# Altium PCB AUAV_X05.PcbDoc (part 1 of 5)
Units mm, origin at the board's own origin, x right, y up, seen from the top; angles counter-clockwise.
Board outline 44.99 x 99.99 mm, 4 copper layers (Top Layer, Int1 Layer, Int2 Layer, Bottom Layer), stack 1.587 mm thick; 376 components, 270 nets, 1466 pads, 1242 vias.
Unrouted connection lines stored in the file: 2.
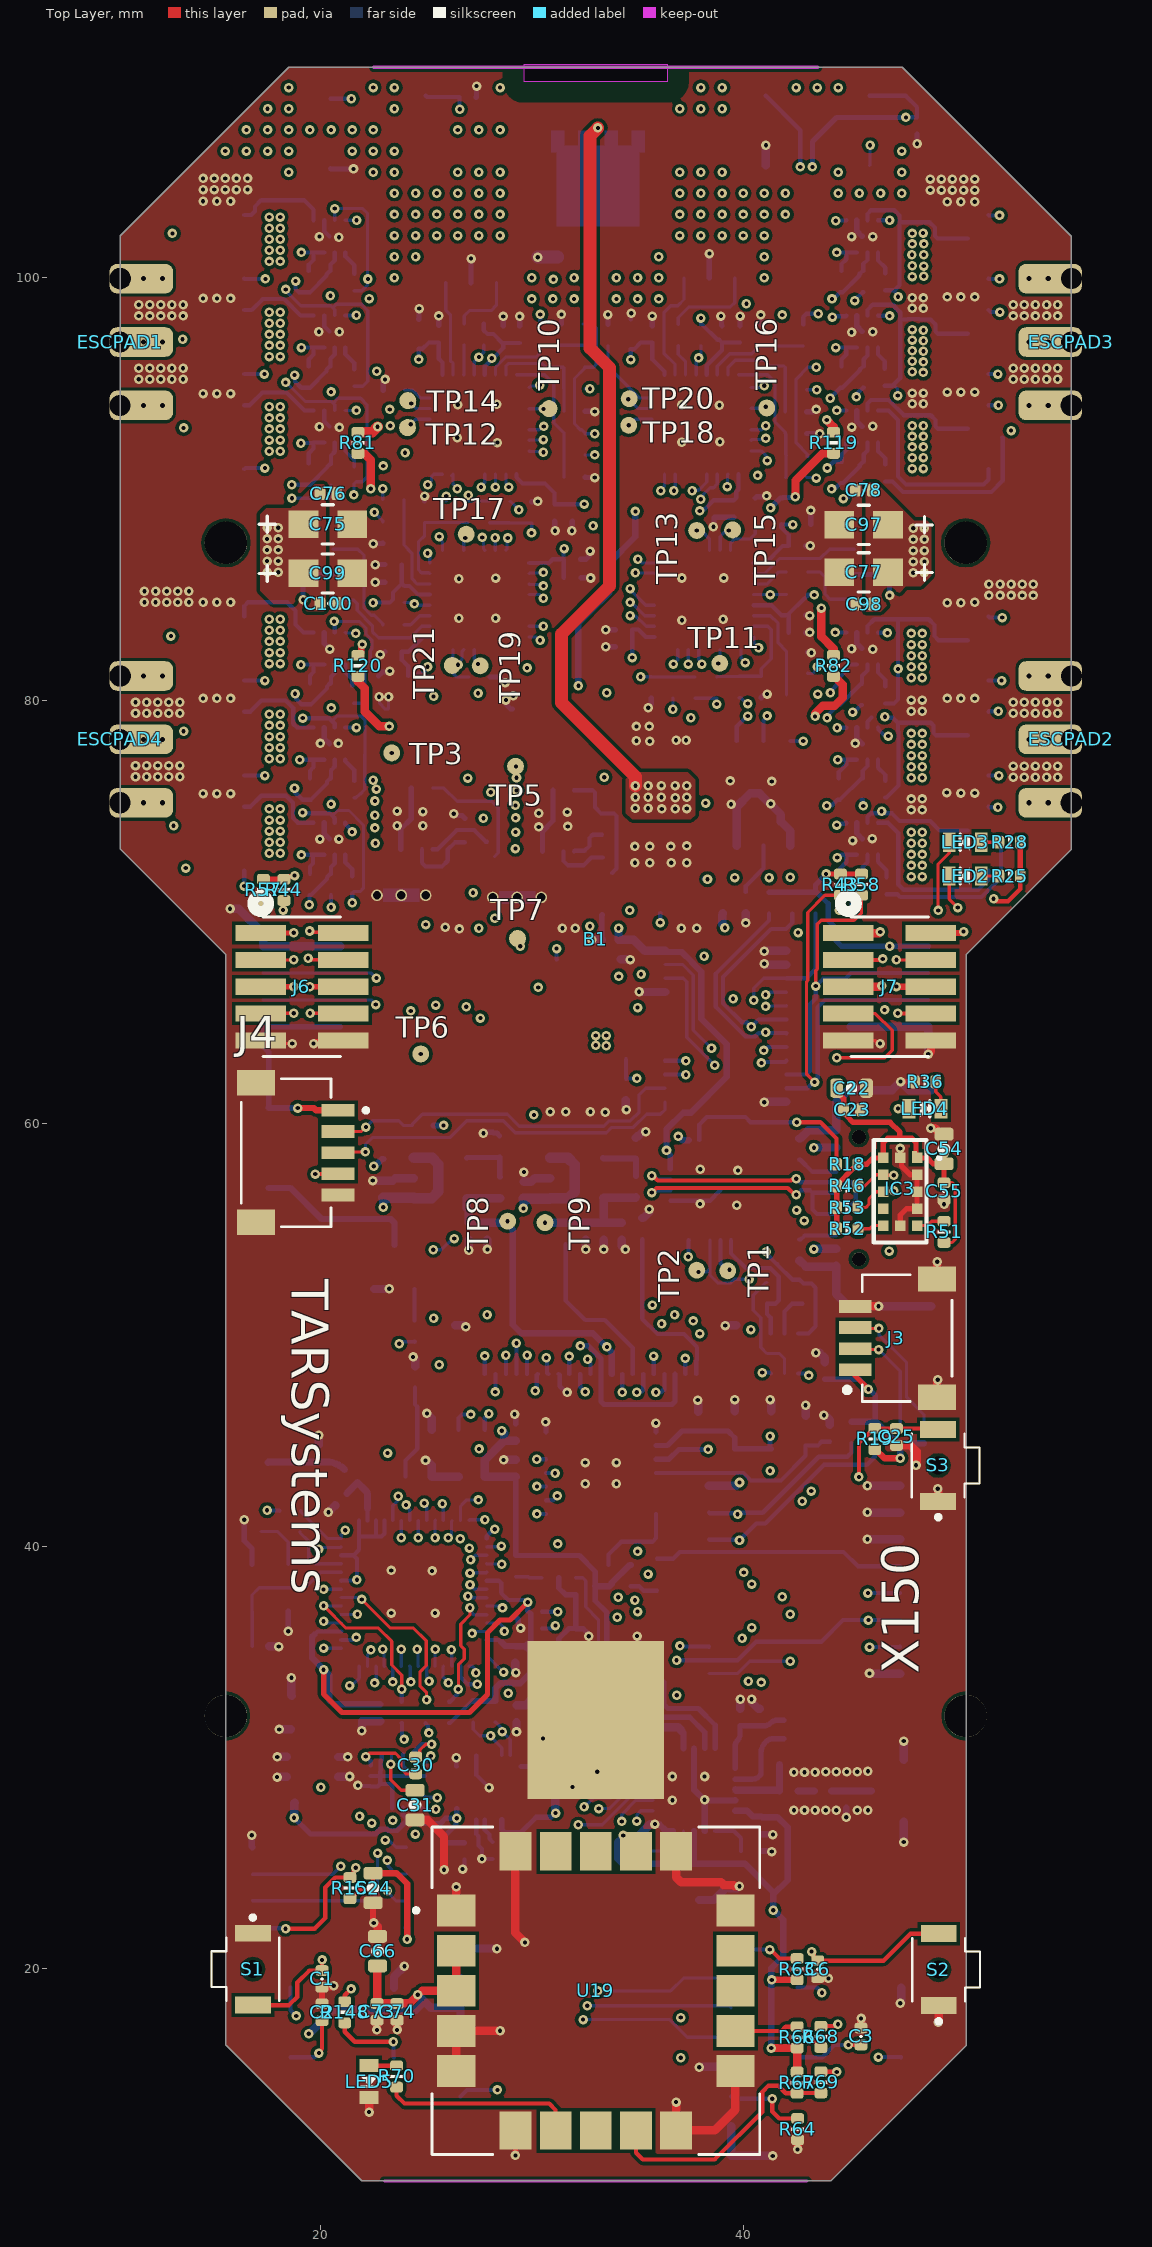
[diagram p0: Top Layer view]
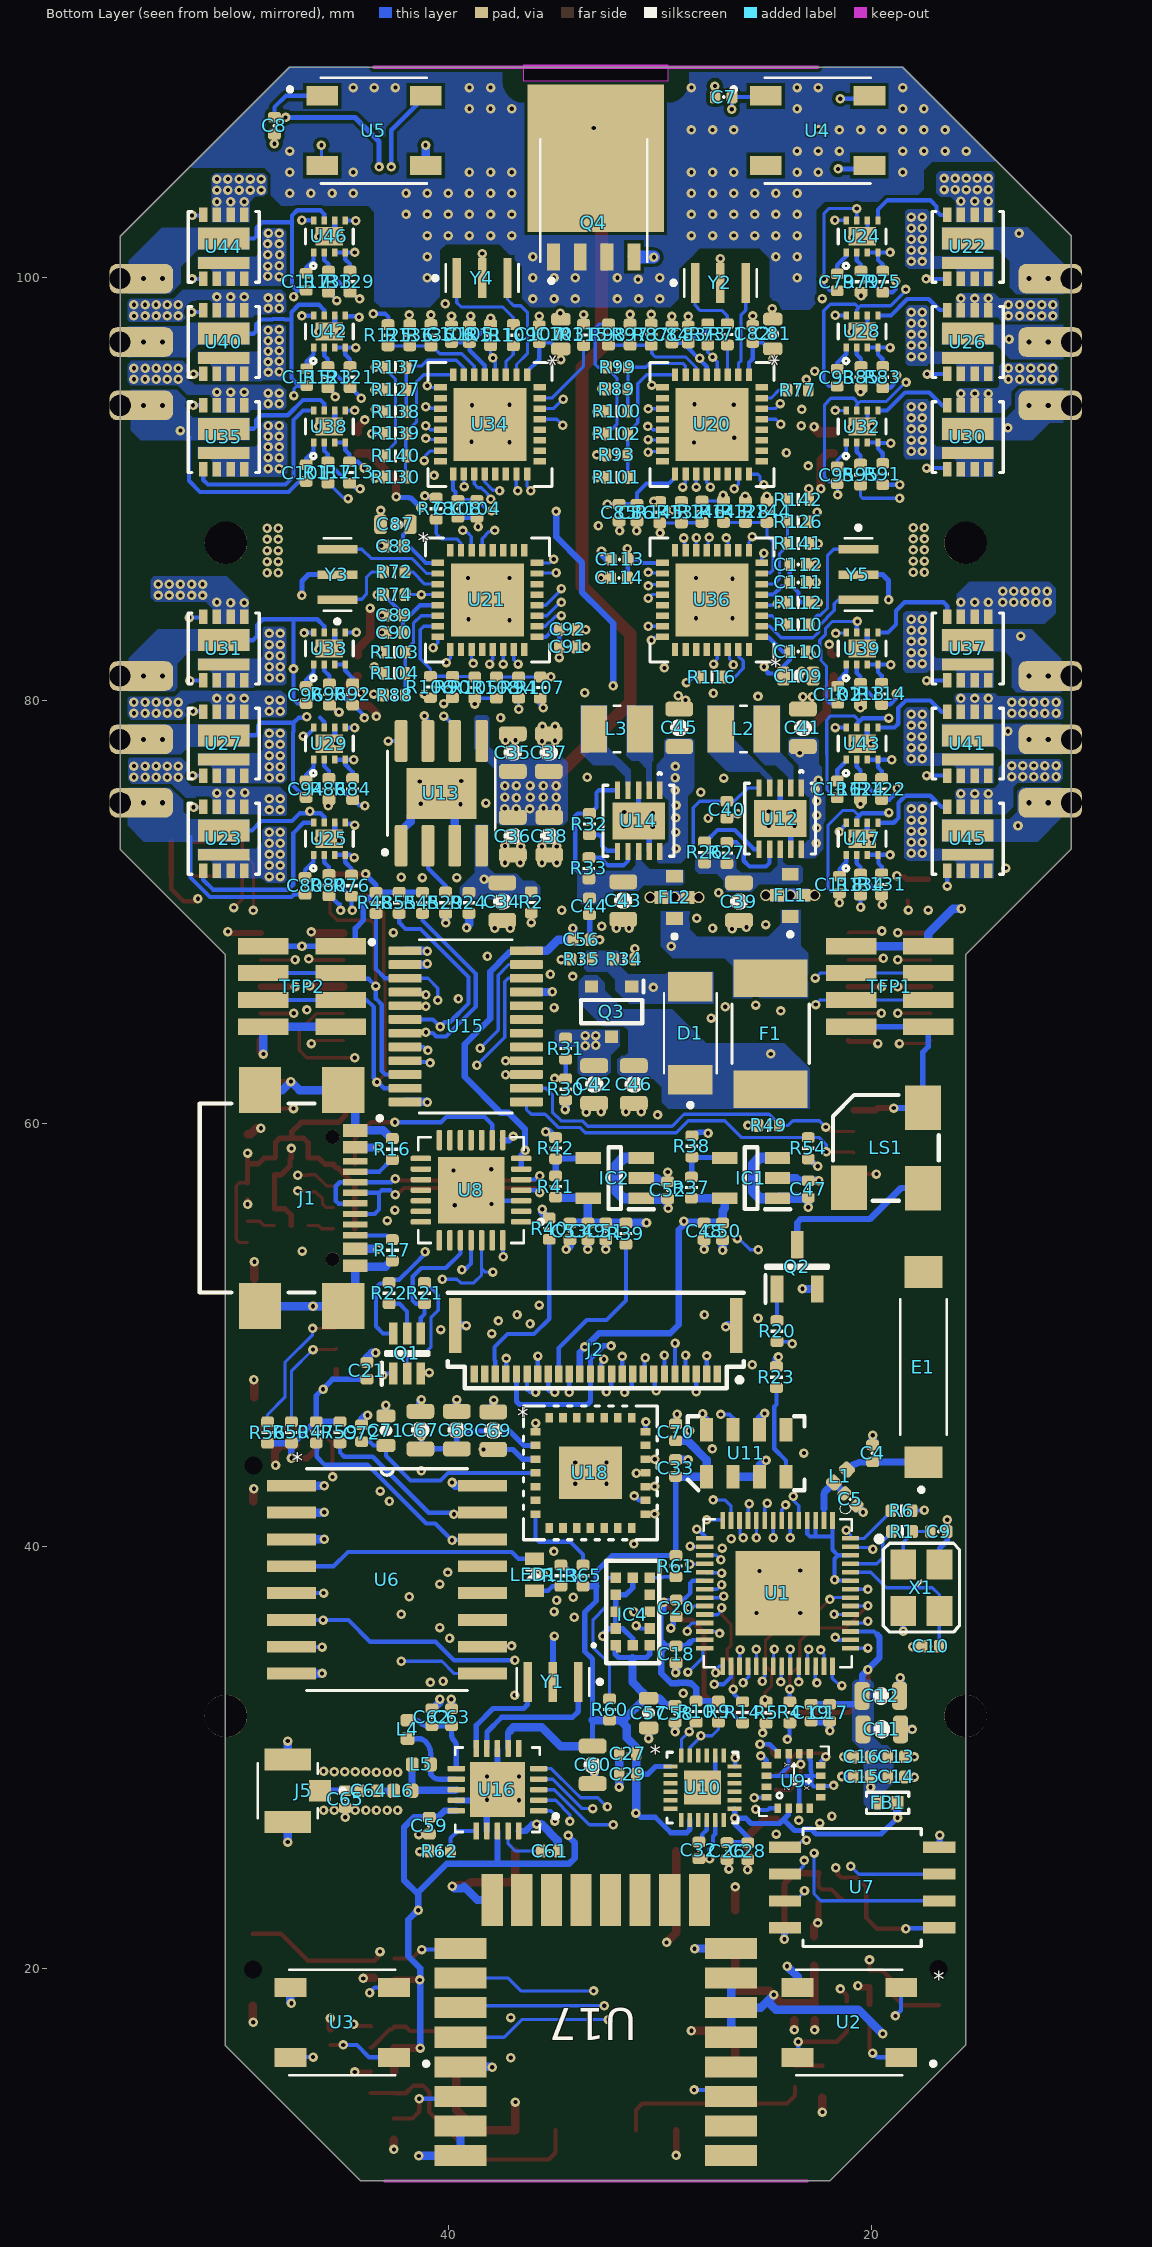
[diagram p1: Bottom Layer view, seen from below]
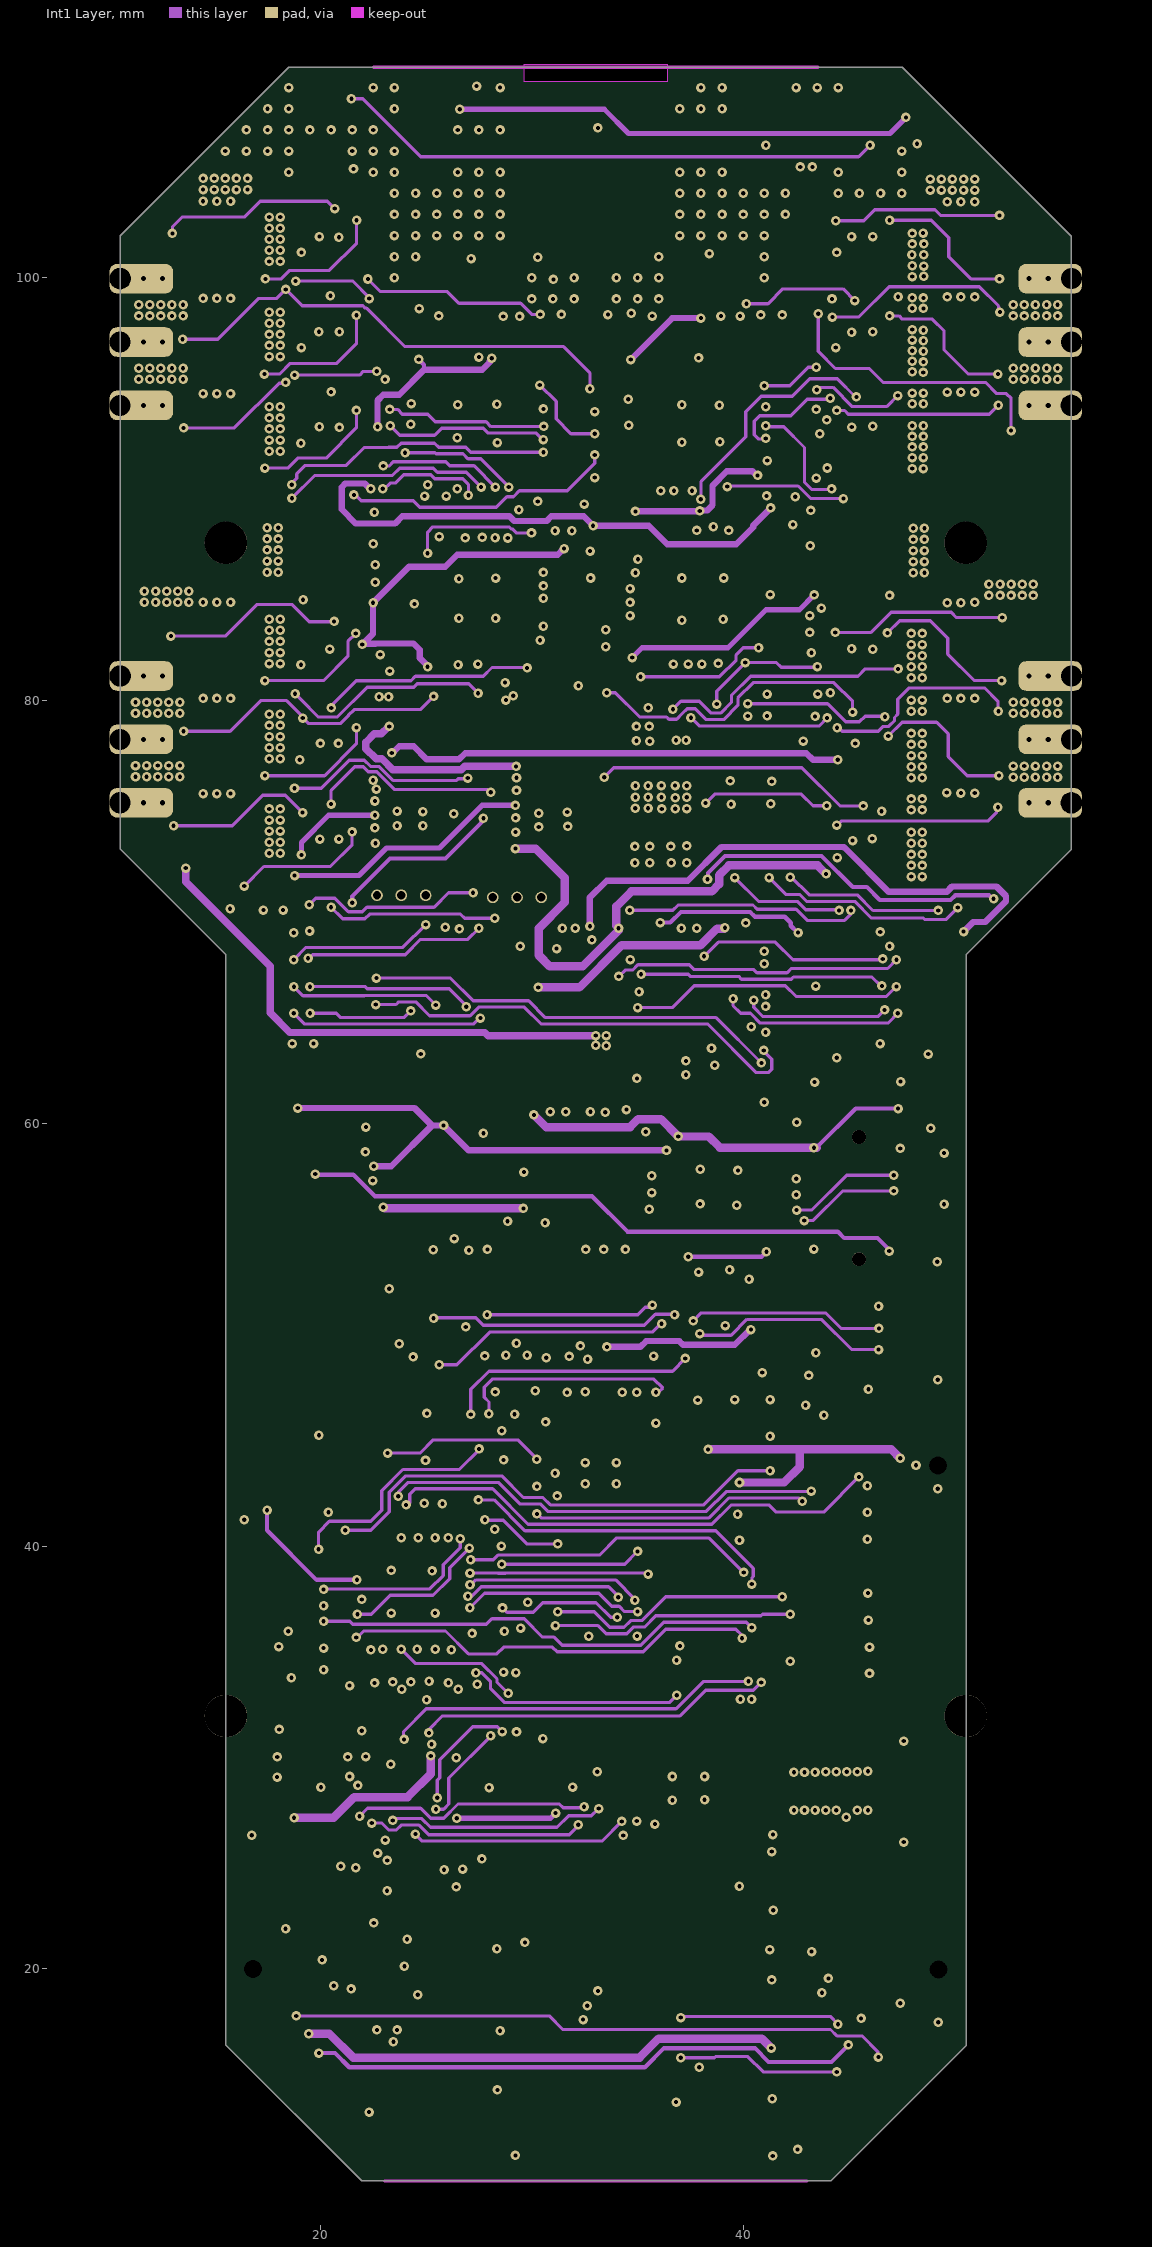
[diagram p2: Int1 Layer]
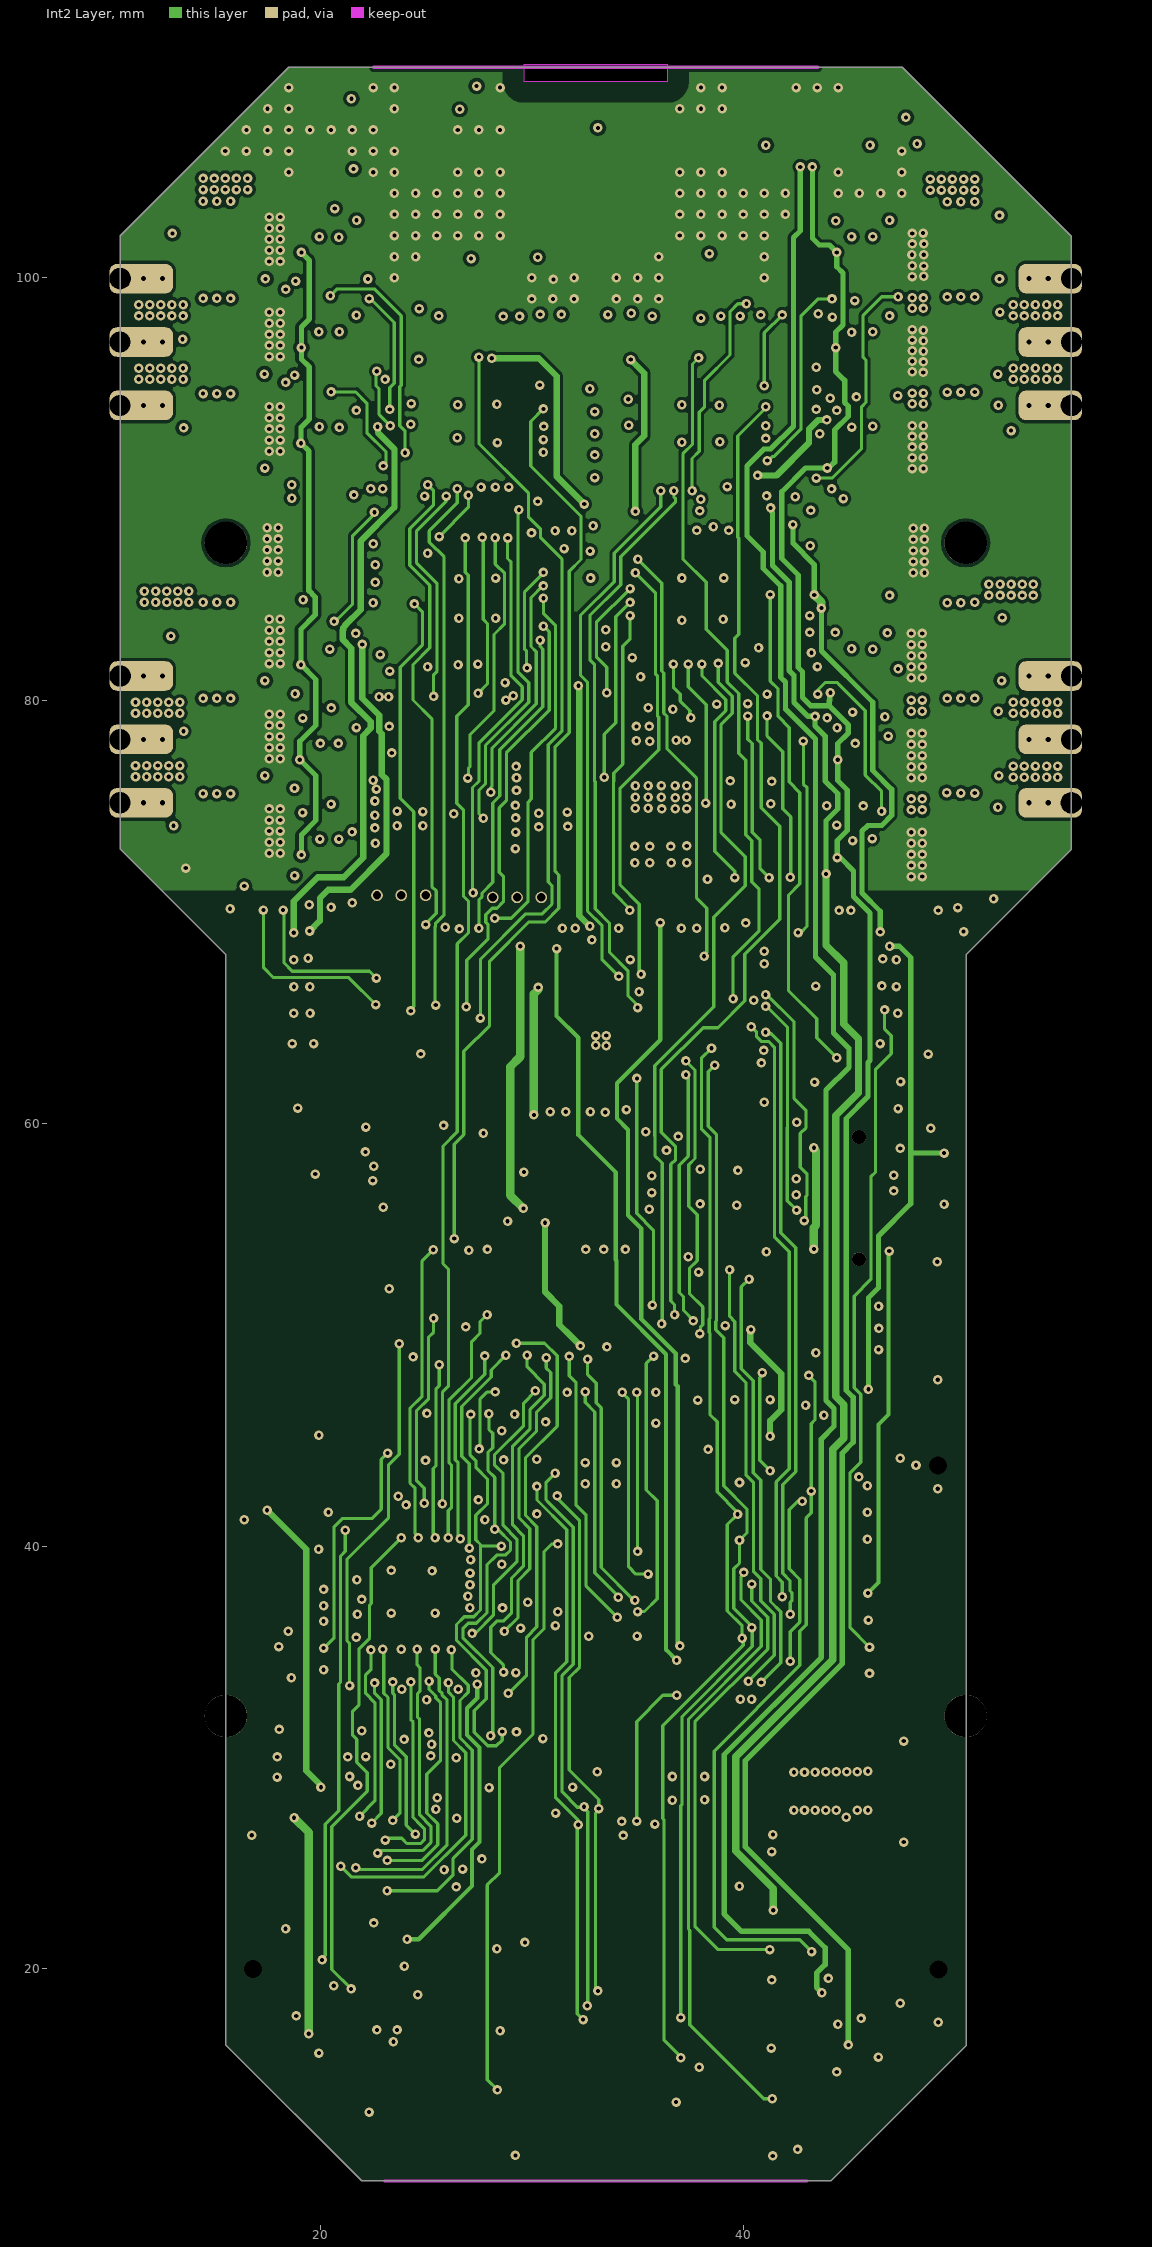
[diagram p3: Int2 Layer]
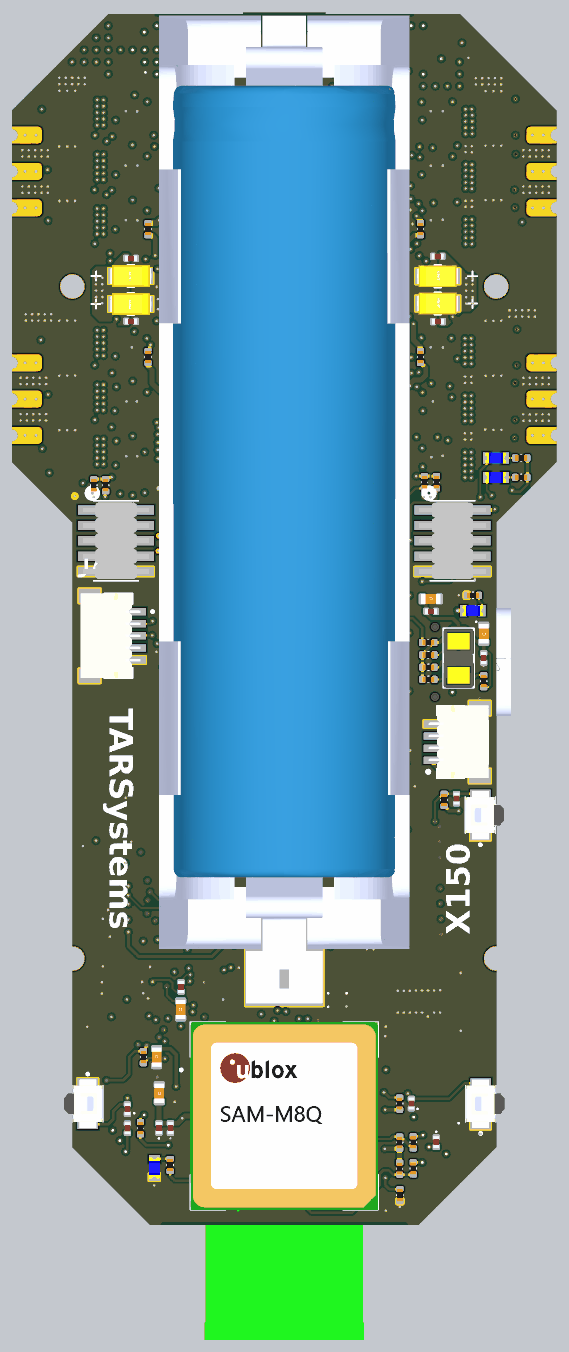
[diagram p8: 3D render of the assembled board from above, using the file's embedded part models]
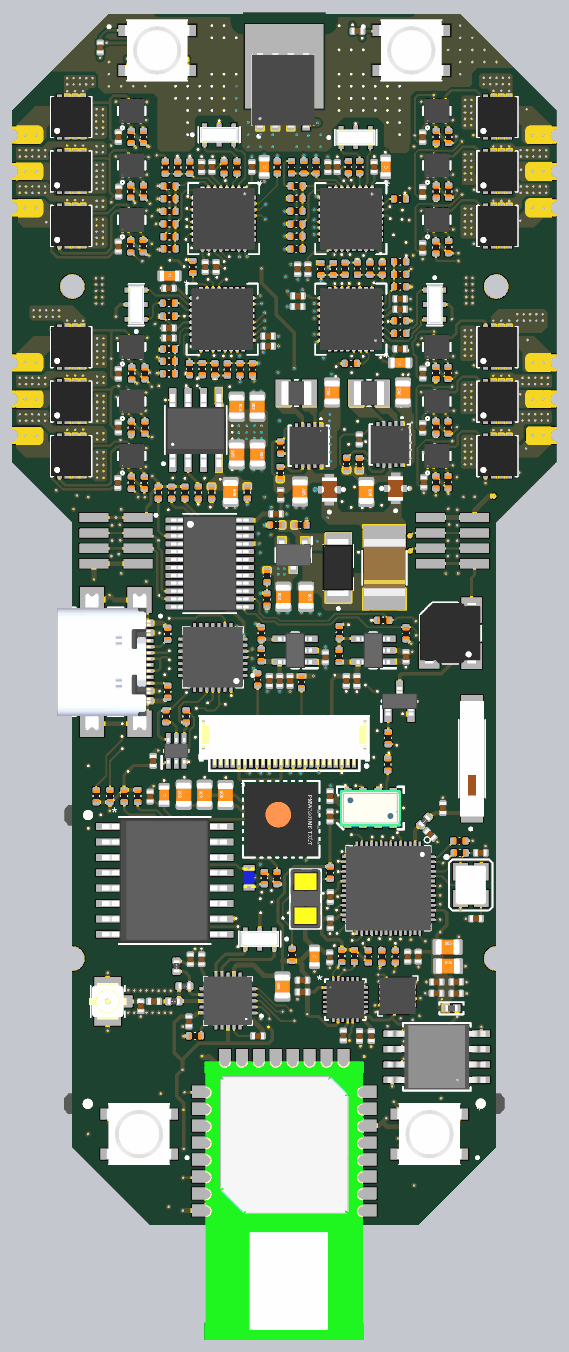
[diagram p9: 3D render of the assembled board from below, using the file's embedded part models]

## Layer stack, top to bottom
Top Solder: solder mask 0.0254, SM-001, Dk 4
Top Layer: signal copper 0.035
Dielectric 2: prepreg 0.2083, PP-022, Dk 4.6
Int1 Layer: signal copper 0.0175
Dielectric 3: core 1.065, Core-039, Dk 4.6
Int2 Layer: signal copper 0.0175
Dielectric 4: prepreg 0.2083, PP-022, Dk 4.6
Bottom Layer: signal copper 0.035
Bottom Solder: solder mask 0.0254, SM-001, Dk 4

## Board outline
15.52,29.469 15.52,67.99 10.53,72.98 10.53,101.99 18.504,109.964 47.526,109.964 55.52,101.97 55.52,72.96 50.55,67.99 50.55,16.375 44.15,9.975 21.95,9.975 15.544,16.381 15.52,16.381
cut-out: 29.625,110.075 29.625,109.3 36.425,109.3 36.425,110.075

## Design rules (kind name [scope] priority, off if disabled: settings)
BoardOutlineClearance mdCopperDimension [All] p1: gap=0.254 ignorepadtopadclearanceinfootprint=FALSE except(0: Arc-SplitContinuation Track-SplitContinuation SMDPad-SplitContinuation THPad-SplitContinuation Via-SplitContinuation Fill-SplitContinuation Poly-OutlineEdge Poly-SplitContinuation Region-SplitContinuation Text-SplitContinuation; 1.016: Poly-CavityEdge Poly-CutoutEdge Poly-SplitBarrior)
Clearance "Clearance (Same Net)" [All] p1: gap=0 ignorepadtopadclearanceinfootprint=FALSE except(0.153: Arc-Fill Arc-Poly Arc-Region Track-Fill Track-Poly Track-Region SMDPad-Fill SMDPad-Poly SMDPad-Region THPad-Fill THPad-Poly THPad-Region Fill-Fill Fill-Poly Fill-Region Poly-Poly Poly-Region Region-Region)
Clearance [All] p2: gap=0.1 ignorepadtopadclearanceinfootprint=TRUE
ComponentClearance [All] p1: gap=0 collisioncheckmode=3 verticalgap=0.254 showdistances=FALSE
HoleSize [All] p1: absolutevalues=TRUE maxlimit=2540 minlimit=0.35 maxpercent=80.000 minpercent=20.000
HoleToHoleClearance mdDrill [All] p1: gap=0.152 allowstackedmicrovias=TRUE
MinimumSolderMaskSliver [All] p1 off: minsoldermaskwidth=0.254
PasteMaskExpansion mlMinCreamFrame [All] p1: expansion=0
PolygonConnect ThermalVias [IsVia] p1: connectstyle=Direct reliefconductorwidth=0.254 reliefentries=4 polygonreliefangle="90 Angle" airgapwidth=0.254
PolygonConnect [All] p2: connectstyle=Direct reliefconductorwidth=0.254 reliefentries=4 polygonreliefangle="90 Angle" airgapwidth=0
RoutingVias [All] p1: holewidth=0.2 width=0.4 viastyle="Through Hole" minholewidth=0.2 minwidth=0.4 maxholewidth=2.54 maxwidth=2.54
SolderMaskExpansion mlMinStopFrame [All] p1: expansion=0.102 istentingtop=FALSE
Width RF [InNetClass('RF')] p1: maxlimit=0.332 minlimit=0.256 preferedwidth=0.332 toplayer_minwidth=0.332 midlayer1_maxwidth=0.256 midlayer1_prefwidth=0.256 midlayer2_maxwidth=0.256 midlayer2_prefwidth=0.256 bottomlayer_minwidth=0.332 impedanceprofiledriven=TRUE impedanceprofileid={614A6675-5CE6-4906-B195-A7B2AE193C2B} impedanceprofilevalue=50.000000 minimp=50.000000 maximp=50.000000 favimp=50.000000 // RF Impedance
Width [All] p2: maxlimit=254 minlimit=0.152 preferedwidth=0.152
25 further rules are at their usual default settings.

## Classes and differential pairs
net class RF: NetC4_P$1 NetC64_P$1 NetC64_P$2 NetL5_1
component class AUAV_X05_UWB: *7 C66 R63 R64 U17
component class AUAV_X05_ToF: *5 C54 C55 C56 C57 C58 IC3 IC4 J3 J4 R43 R44 R45 R46 R47 R48 R49 R50 R51 R52 R53 R54 R55 R56 R57 R58 R59 R60 R61 TFP1 TFP2 U15
component class AUAV_X05_POWER: *3 B1 C34 C35 C36 C37 C38 C39 C40 C41 C42 C43 C44 C45 C46 D1 F1 FL1 FL2 L2 L3 LED2 LED3 LED4 Q3 Q4 R2 R24 R25 R26 R27 R28 R29 R30 R31 R32 R33 R34 R35 R36 TP3 TP5 TP6 TP7 U12 U13 U14
component class AUAV_X05_PMW3901: *8 C67 C68 C69 C70 C71 C72 R65 U18
component class AUAV_X05_NRF24: *6 C59 C60 C61 C62 C63 C64 C65 J5 L4 L5 L6 R62 U16 Y1
component class AUAV_X05_IMU: *2 C26 C27 C28 C29 C30 C31 C32 C33 R23 U9 U10 U11
component class AUAV_X05_GPS: *9 C73 C74 LED5 R66 R67 R68 R69 R70 U19
component class AUAV_X05_FMUESP: *1 C1 C2 C3 C4 C5 C6 C7 C8 C9 C10 C11 C12 C13 C14 C15 C16 C17 C18 C19 C20 C21 C22 C23 C24 C25 E1 FB1 J1 L1 LED1 LS1 Q1 Q2 R1 R4 R5 R6 R9 R10 R13 R14 R15 R16 R17 R18 R19 R20 R21 R22 R148 S1 S2 S3 TP1 TP2 U1 U2 U3 U4 U5 U6 U7 U8 X1
component class AUAV_X05_ESC: *10 C75 C76 C77 C78 C79 C80 C81 C82 C83 C84 C85 C86 C87 C88 C89 C90 C91 C92 C93 C94 C95 C96 C97 C98 C99 C100 C101 C102 C103 C104 C105 C106 C107 C108 C109 C110 C111 C112 C113 C114 C115 C116 C117 C118 ESCPAD1 ESCPAD2 ESCPAD3 ESCPAD4 J6 J7 R71 R72 R73 R74 R75 R76 R77 R78 R79 R80 R81 R82 R83 R84 R85 R86 R87 R88 R89 R90 R91 R92 R93 R94 R95 R96 R97 R98 R99 R100 R101 R102 R103 R104 R105 R106 R107 R108 R109 R110 R111 R112 R113 R114 R115 R116 R117 R118 R119 R120 R121 R122 R123 R124 R125 R126 R127 R128 R129 R130 R131 R132 R133 R134 R135 R136 R137 R138 R139 R140 R141 R142 R143 R144 R145 R146 TP10 TP11 TP12 TP13 TP14 TP15 TP16 TP17 TP18 TP19 TP20 TP21 U20 U21 U22 U23 U24 U25 U26 U27 U28 U29 U30 U31 U32 U33 U34 U35 U36 U37 U38 U39 U40 U41 U42 U43 U44 U45 U46 U47 Y2 Y3 Y4 Y5
component class AUAV_X05_CAM: *4 C47 C48 C49 C50 C51 C52 C53 IC1 IC2 J2 R37 R38 R39 R40 R41 R42 TP8 TP9

## Components (designator, comment, footprint, x,y, rotation, side; value= is the part's Value field where it differs from the comment)
B1 "1042P" 1042P_KEY 33.025,71.463 r90 top locked
C1 "0.1µF" 0402-CAP 20.075,19.525 r270 top value=8p
C2 "0.1µF" 0402-CAP 20.075,17.95 r90 top value=8p
C3 "0.1µF" 0402-CAP 45.575,16.8 r90 top value=8p
C4 "2.0pF" 0402-CAP 19.925,44.388 r90 bottom value=8p
C5 "2.7pF" 0402-CAP 20.975,42.213 r225 bottom value=8p
C6 "0.1µF" 0402-CAP 43.525,19.983 r270 top value=8p
C7 "0.1µF" 0402-CAP 26.975,108.55 r180 bottom value=8p
C8 "0.1µF" 0402-CAP 48.225,107.2 r90 bottom value=8p
C9 "18pF" 0402-CAP 16.8,40.688 r180 bottom value=8p
C10 "18pF" 0402-CAP 17.175,35.264 r0 bottom value=8p
C11 "22µF" 0805-CAP 19.495,31.333 r180 bottom value=4u7
C12 "22µF" 0805-CAP 19.535,32.914 r180 bottom value=4u7
C13 "1µF" 0402-CAP 18.815,30.033 r180 bottom value=8p
C14 "1µF" 0402-CAP 18.815,29.084 r180 bottom value=8p
C15 "0.1µF" 0402-CAP 20.445,29.094 r0 bottom value=8p
C16 "0.1µF" 0402-CAP 20.435,30.023 r0 bottom value=8p
C17 "0.1µF" 0402-CAP 21.965,32.119 r270 bottom value=8p
C18 "0.1µF" 0402-CAP 29.225,34.873 r270 bottom value=8p
C19 "0.1µF" 0402-CAP 22.835,32.119 r270 bottom value=8p
C20 "0.1µF" 0402-CAP 29.215,37.053 r270 bottom value=8p
C21 "0.1µF" 0402-CAP 43.85,48.288 r270 bottom value=8p
C22 "4.7µF" 0603-CAP 45.125,61.663 r180 top value=2u2
C23 "0.1µF" 0402-CAP 45.15,60.638 r0 top value=8p
C24 "4.7µF" 0603-CAP 22.488,23.825 r270 top value=2u2
C25 "0.1µF" 0402-CAP 47.25,45.163 r270 top value=8p
C26 "2.2µF" 0402-CAP 26.815,25.573 r270 bottom value=8p
C27 "0.1µF" 0402-CAP 31.515,30.174 r0 bottom value=8p
C28 "0.1µF" 0402-CAP 25.835,25.563 r270 bottom value=8p
C29 "2.2µF" 0402-CAP 31.515,29.204 r0 bottom value=8p
C30 "0.22µF" 0402-CAP 24.505,29.623 r90 top value=8p
C31 "4.7µF" 0603-CAP 24.475,27.75 r270 top value=2u2
C32 "0.1µF" 0402-CAP 28.145,25.603 r90 bottom value=8p
C33 "0.1µF" 0402-CAP 29.245,43.693 r90 bottom value=8p
C34 "10µF" 0805-CAP 37.45,70.488 r270 bottom value=4u7
C35 "10µF" 0805-CAP 36.95,77.539 r270 bottom value=4u7
C36 "10µF" 0805-CAP 36.95,73.588 r90 bottom value=4u7
C37 "10µF" 0805-CAP 35.25,77.539 r90 bottom value=4u7
C38 "10µF" 0805-CAP 35.225,73.588 r270 bottom value=4u7
C39 "10µF" 0805-CAP 26.25,70.489 r270 bottom value=4u7
C40 "0.1µF" 0402-CAP 26.825,74.836 r270 bottom value=8p
C41 "22µF" 0805-CAP 23.225,78.711 r90 bottom value=4u7
C42 "100µF" 0805-CAP 33.1,61.838 r90 bottom value=4u7
C43 "10µF" 0805-CAP 31.725,70.539 r270 bottom value=4u7
C44 "0.1µF" 0402-CAP 33.325,70.263 r270 bottom value=8p
C45 "22µF" 0805-CAP 29.075,78.714 r90 bottom value=4u7
C46 "100µF" 0805-CAP 31.225,61.838 r270 bottom value=4u7
C47 "1µF" 0402-CAP 22.975,56.888 r270 bottom value=8p
C48 "1µF" 0402-CAP 27.9,54.888 r90 bottom value=8p
C49 "0.1µF" 0402-CAP 33.4,54.888 r90 bottom value=8p
C50 "0.1µF" 0402-CAP 27.025,54.888 r90 bottom value=8p
C51 "0.1µF" 0402-CAP 32.55,54.888 r90 bottom value=8p
C52 "1µF" 0402-CAP 29.625,56.838 r270 bottom value=8p
C53 "1µF" 0402-CAP 34.25,54.888 r90 bottom value=8p
C54 "4.7µF" 0603-CAP 49.5,58.789 r90 top value=2u2
C55 "0.1µF" 0402-CAP 49.5,56.788 r90 top value=8p
C56 "0.1µF" 0402-CAP 33.7,68.688 r0 bottom value=8p
C57 "4.7µF" 0603-CAP 30.525,32.1 r270 bottom value=2u2